# Altium PCB Ctrl_FOC.PcbDoc (part 1 of 2) (continued)
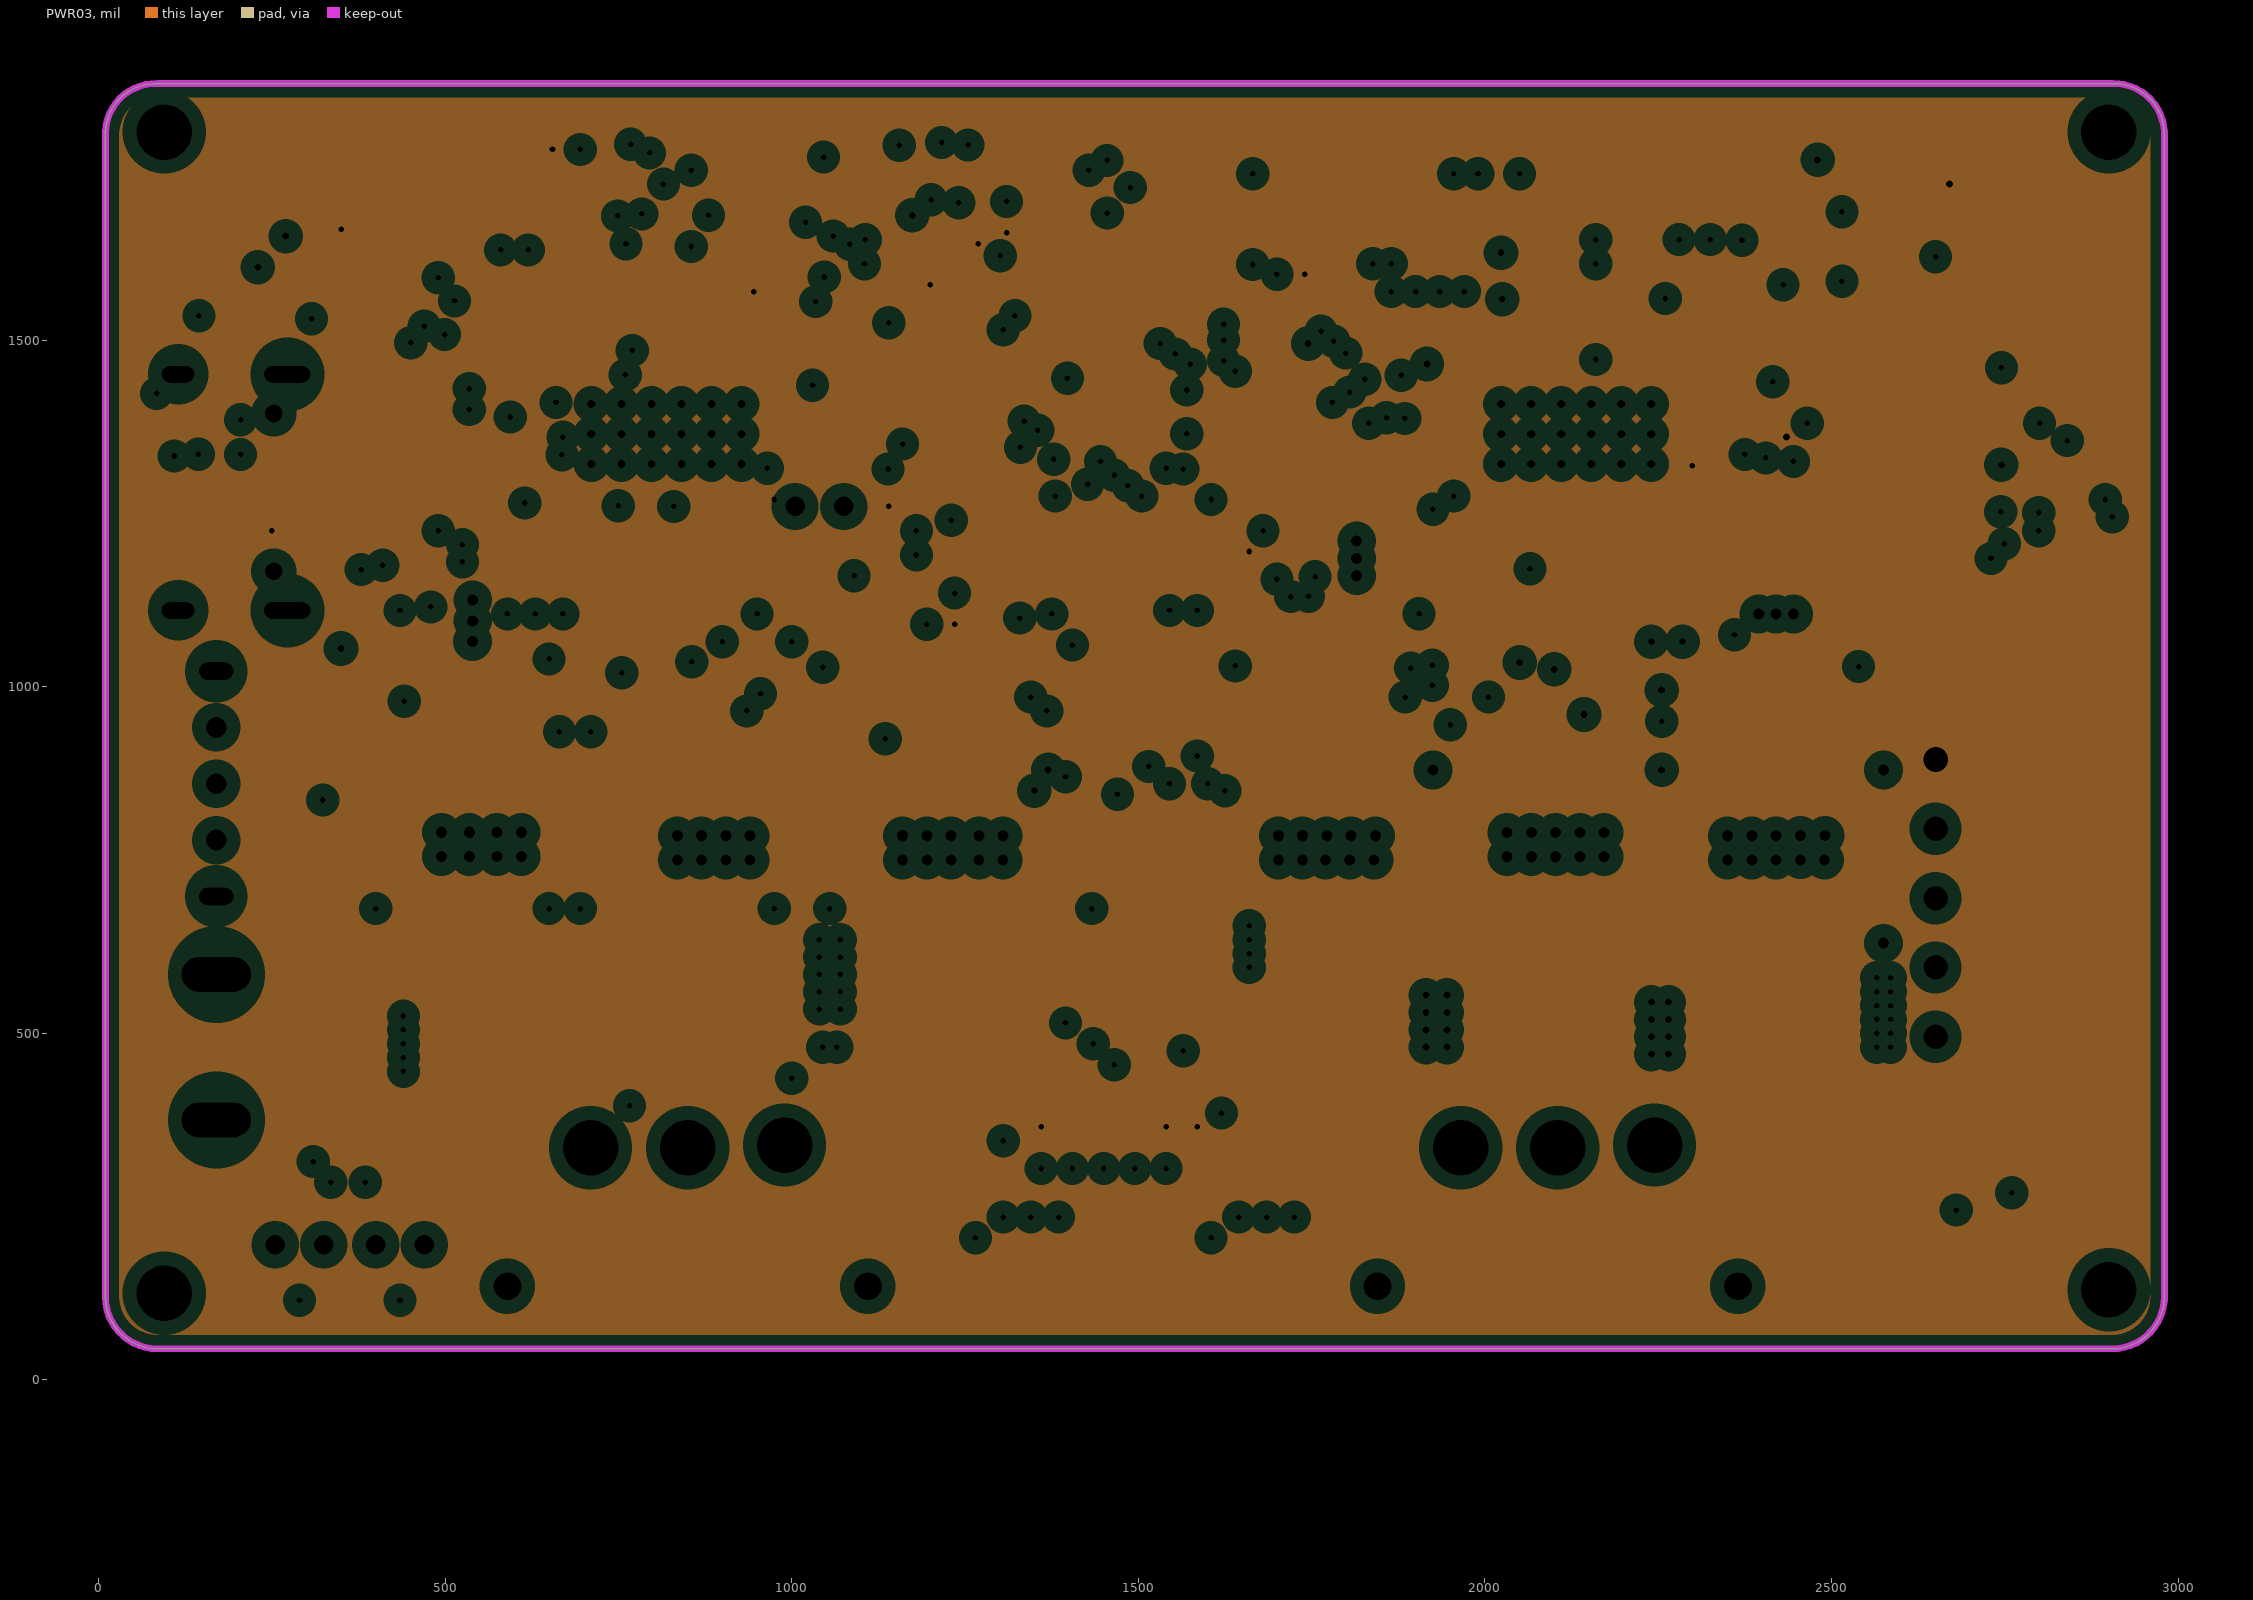
[diagram p3: PWR03, clearances drawn from the general rule]

## Layer stack, top to bottom
Top Solder: solder mask 0.4, Solder Resist, Dk 3.5
Top Layer: signal copper 1.4
Dielectric 2: prepreg 2.8, PP-006, Dk 4.1
GND02: plane copper 1.378, net GND
Dielectric 1: dielectric 12.6, FR-4, Dk 4.8
PWR03: plane copper 1.378, net VCC
Dielectric 3: prepreg 2.8, PP-006, Dk 4.1
Bottom Layer: signal copper 1.4
Bottom Solder: solder mask 0.4, Solder Resist, Dk 3.5

## Board outline
85,45 cw(c85,120) 10,120 10,1800 cw(c82.5,1797.5) 85,1870 2905,1870 cw(c2907.5,1797.5) 2980,1800 2980,115 2980,120 cw(c2905,120) 2905,45

## Design rules (kind name [scope] priority, off if disabled: settings)
Clearance [All] p1: gap=4 ignorepadtopadclearanceinfootprint=FALSE except(0: Arc-Hole Track-Hole SMDPad-Hole THPad-Hole Via-Hole Fill-Hole Poly-Hole Region-Hole Text-Hole)
PlaneClearance [All] p1: clearance=20
PlaneConnect [All] p1: planeconnectstyle=Relief reliefexpansion=20 reliefentries=4 reliefconductorwidth=10 reliefairgap=10
PolygonConnect [All] p1: connectstyle=Direct reliefconductorwidth=10 reliefentries=4 polygonreliefangle="90 Angle" airgapwidth=10
RoutingVias [All] p1: holewidth=28 width=50 viastyle="Through Hole" minholewidth=28 minwidth=50 maxholewidth=28 maxwidth=50
SolderMaskExpansion [All] p1: expansion=4 istentingtop=FALSE
Width [InNetClass('All Nets')] p1: maxlimit=200 minlimit=4 preferedwidth=6
28 further rules are at their usual default settings.

## Classes and differential pairs
component class "Motor 1": C82 C83 C84 C85 C86 C87 C88 C89 C90 C91 C92 C93 C94 MR2 NT6 NT7 NT8 NT9 Q9 Q10 Q11 Q12 Q13 Q14 R50 R51 R52 R53 R54 R55 R56 R57 R58 R59 R60 R61 R62 TP5 U8
component class "Motor 0": C60 C61 C63 C64 C65 C66 C67 C68 C69 C70 C71 C72 C73 C74 C75 C76 C77 C78 C79 D7 L3 MR1 NT2 NT3 NT4 NT5 Q3 Q4 Q5 Q6 Q7 Q8 R31 R32 R33 R34 R35 R36 R37 R38 R39 R40 R41 R42 R43 R44 R45 R46 R47 U7
component class MainFile: C1 C2 C3 C4 C5 C6 C7 C8 C9 C10 C11 C12 C13 C14 C15 C16 C17 C18 C19 C20 C21 C22 C23 C24 C25 C26 C27 C28 C29 C30 C31 C32 C33 C34 C35 C36 C37 C38 C39 C40 C41 C42 C43 C44 C45 C46 C47 C48 C49 C50 C51 C52 C53 C54 C55 C56 C57 C58 C59 D1 D2 D3 D4 D5 D6 DC1 J1 JP1 JP2 K1 K2 K3 L1 L2 NT1 OLED1 ON1 Q1 Q2 R1 R2 R3 R4 R5 R6 R7 R8 R9 R10 R11 R12 R13 R14 R15 R16 R17 R18 R19 R20 R21 R23 R24 R25 R26 R27 R28 R29 R30 TP1 TP2 TP3 TPS1 U1 U2 U3 U4 U6 USB1 X1 XT1

## Components (designator, comment, footprint, x,y, rotation, side; value= is the part's Value field where it differs from the comment)
C1 "0.1uF" CAP_0402 1240,1635 r0 top
C2 "0.1uF" CAP_0402 1720,1595 r0 top
C3 "0.1uF" CAP_0402 1215,1090 r0 top
C4 "0.1uF" CAP_0402 1680,1195 r180 top
C5 "2.2uF" CAP_0603 830,1595 r0 bottom
C6 "2.2uF" CAP_0402 1270,1675 r270 bottom
C7 "2.2uF" CAP_0402 1310,1675 r270 bottom
C8 "2.2uF" CAP_0402 1350,1675 r270 bottom
C9 "0.1uF" CAP_0603 230,1535 r90 top
C10 "0.1uF" CAP_0603 278,1535 r90 top
C11 "0.1uF" CAP_0603 325,1535 r90 top
C12 "0.1uF" CAP_0603 95,1535 r90 top
C13 "0.1uF" CAP_0603 140,1535 r90 top
C14 "0.1uF" CAP_0603 185,1535 r90 top
C15 "0.1uF" CAP_0603 1205,1135 r0 top
C16 "22pF" CAP_0402 1160,1525 r0 top
C17 "22pF" CAP_0402 1160,1330 r0 top
C18 "2.2uF" CAP_0603 1665,1670 r270 bottom
C19 "2.2uF" CAP_0402 1710,1670 r90 bottom
C20 "2.2uF" CAP_0402 1750,1670 r90 bottom
C21 "2.2uF" CAP_0402 1790,1670 r90 bottom
C22 "0.1uF" CAP_0402 385,265 r90 top
C23 "0.1uF" CAP_0402 335,265 r90 top
C24 "0.1uF" CAP_0402 965,1335 r90 bottom
C25 "0.1uF" CAP_0603 1235,980 r90 top
C26 "2.2uF" CAP_0402 1720,1635 r0 top
C27 "2.2uF" CAP_0402 1680,1155 r180 top
C28 "0.1uF" CAP_0402 1160,1295 r180 top
C29 "2.2uF" CAP_0603 310,1225 r180 top
C30 "2.2uF" CAP_0603 310,1278 r180 top
C31 "2.2uF" CAP_0603 310,1330 r180 top
C32 "0.1uF" CAP_0402 675,1735 r180 bottom
C33 "22pF" CAP_0402 445,1205 r0 bottom
C34 "22pF" CAP_0402 445,1245 r0 bottom
C35 "4.7uF" CAP_0402 1640,325 r270 bottom
C36 "4.7uF" CAP_0402 1305,320 r270 bottom
C37 "470uF" CAP_1206 901.91,680 r90 bottom
C38 "470uF" CAP_1206 1033.46,680 r90 bottom
C39 "470uF" CAP_1206 1165,679.8 r90 bottom
C40 "470uF" CAP_1206 1340,680 r90 bottom
C41 "470uF" CAP_1206 1440,680 r90 bottom
C42 "470uF" CAP_1206 1540,680 r90 bottom
C43 "470uF" CAP_1206 1640,680 r90 bottom
C44 "470uF" CAP_1206 1820,680 r90 bottom
C45 "470uF" CAP_1206 1950,680 r90 bottom
C46 "470uF" CAP_1206 2080,680 r90 bottom
C47 "470uF" CAP_1206 2210,680 r90 bottom
C48 "470uF" CAP_1206 2340,680 r90 bottom
C49 "0.1uF" CAP_1206 2470,680 r90 bottom
C50 "0.1uF" CAP_0402 2515,1495 r0 bottom
C51 "220pF" CAP_0402 2605,1680 r270 bottom
C52 "2.2uF" CAP_0603 2140,1670 r90 bottom
C53 "2.2uF" CAP_0603 2190,1670 r90 bottom
C54 "2.2uF" CAP_0603 2240,1670 r90 bottom
C55 "470uF" CAP_1206 507.28,680 r90 bottom
C56 "470uF" CAP_1206 638.82,680 r90 bottom
C57 "470uF" CAP_1206 770.37,680 r90 bottom
C58 "0.1uF" CAP_0402 675,1775 r180 bottom
C59 "10uF" CAP_0402 2515,1460 r0 bottom
C60 "82pF" CAP_0402 2450,1620 r0 top
C61 "270pF" CAP_0402 2450,1580 r180 top
C63 "0.1uF" CAP_0603 1785,1160 r0 top
C64 "10uF" CAP_0603 1785,1210 r0 top
C65 "0.1uF" CAP_0402 2450,1180 r90 top
C66 "68uF 16V" CAPCP6032X28N 2631.5,1460 r0 top
C67 "0.1uF" CAP_0603 2335,1075 r270 top
C68 "0.1uF" CAP_0603 2190,1075 r270 top
C69 "10uF" CAP_0402 2160,1625 r270 top
C70 "22nF" CAP_0402 2120,1625 r270 top
C71 "0.1uF" CAP_0603 2005,1075 r270 top
C72 "10uF" CAP_0402 1865,1590 r270 bottom
C73 "2.2nF" CAP_0402 1905,1085 r90 top
C74 "2.2nF" CAP_0402 1960,1670 r270 bottom
C75 "2.2nF" CAP_0402 1910,1670 r90 bottom
C76 "10uF" CAP_0402 1900,1590 r270 bottom
C77 "10uF" CAP_0603 2395,1075 r90 top
C78 "0.1uF" CAP_0603 2445,1075 r90 top
C79 "2.2nF" CAP_0402 1865,1085 r90 top
C82 "0.1uF" CAP_0603 1095,1075 r270 top
C83 "0.1uF" CAP_0603 950,1075 r270 top
C84 "10uF" CAP_0402 850,1610 r270 top
C85 "22nF" CAP_0402 805,1610 r270 top
C86 "0.1uF" CAP_0603 805,1075 r270 top
C87 "10uF" CAP_0402 660,1610 r90 top
C88 "2.2nF" CAP_0402 670,1085 r90 top
C89 "2.2nF" CAP_0402 620,1680 r270 top
C90 "2.2nF" CAP_0402 580,1680 r270 top
C91 "10uF" CAP_0402 540,1610 r90 top
C92 "10uF" CAP_0603 509.5,1115 r0 top
C93 "0.1uF" CAP_0603 509.5,1065 r0 top
C94 "2.2nF" CAP_0402 590,1085 r270 top
D1 "color?" LED_0402_BLUE 835,1700 r180 bottom
D2 "color?" LED_0402_BLUE 1430,1675 r270 bottom
D3 "color?" LED_0402_BLUE 1525,415 r0 bottom
D4 "color?" LED_0402_BLUE 1870,1670 r270 bottom
D5 "二极管-5819W" SOD-123 2310,1630 r270 bottom
D6 "color?" LED_0603 320,1055 r0 bottom
D7 "MBR140SFT1G" DIOM2717X10N 2605,1615 r0 top
DC1 "电源" TX60电源 175,480 r270 top
J1 "Header 5_1" 单排弯插针5 2650,495 r90 bottom
JP1 "SH1.0-5P" SH1.0-5P-L 1645,165 r0 top
JP2 "SH1.0-5P" SH1.0-5P-L 1305,165 r0 top
K1 "TACT 2P" 按键_3x4x2 435,195 r270 bottom
K2 "TACT 2P" 按键_3x4x2 290,195 r270 bottom
K3 "TACT 2P" 按键_3x4x2 1040,1260 r270 bottom
L1 "2.2uH" 2520-L 240,265 r0 top
L2 "2.2uH" 2520-L 2400,1655.28 r270 bottom
L3 "22uH" INDC6060X28N 2620,1221.85 r90 top
MR1 "U?" MR30PW-M 2105,335 r0 top
MR2 "U?" MR30PW-M 850,335 r0 top
NT1 "2mm" NetTie_2mm 1369.37,1075 r180 top net-tie
NT2 "0.25mm" NetTie_0.25mm 1870.32,1000 r0 top net-tie
NT3 "0.25mm" NetTie_0.25mm 1745,1030 r270 top net-tie
NT4 "0.25mm" NetTie_0.25mm 1925,1285.32 r90 bottom net-tie
NT5 "0.25mm" NetTie_0.25mm 1745.5,1130.5 r180 bottom net-tie
NT6 "0.25mm" NetTie_0.25mm 435,1150 r90 bottom net-tie
NT7 "0.25mm" NetTie_0.25mm 505,1235.32 r90 top net-tie
NT8 "0.25mm" NetTie_0.25mm 505,1205 r270 top net-tie
NT9 "0.25mm" NetTie_0.25mm 525,1155 r180 top net-tie
OLED1 "OLED12880" OLED12880 2330,1374.53 r180 bottom
ON1 "电源开关" 电源开关 170,697.5 r90 bottom
Q1 "AO3415A" SOT23-3 270,1590 r90 bottom
Q2 "BCM856BS" SOT363-6 120,1540 r270 bottom
Q3 "NTMFS4935NT1G" SO8FL 2468.74,805.28 r90 top
Q4 "NTMFS4935NT1G" SO8FL 2145.28,804.72 r90 top
Q5 "NTMFS4935NT1G" SO8FL 1818.74,805 r90 top
Q6 "NTMFS4935NT1G" SO8FL 2468.74,554.72 r90 top
Q7 "NTMFS4935NT1G" SO8FL 2145.28,555.28 r90 top
Q8 "NTMFS4935NT1G" SO8FL 1823.35,555 r90 top
Q9 "NTMFS4935NT1G" SO8FL 1162.28,805 r270 top
Q10 "NTMFS4935NT1G" SO8FL 836.85,805 r270 top
Q11 "NTMFS4935NT1G" SO8FL 506.65,805 r270 top
Q12 "NTMFS4935NT1G" SO8FL 1162.28,555 r270 top
Q13 "NTMFS4935NT1G" SO8FL 836.65,554.72 r270 top
Q14 "NTMFS4935NT1G" SO8FL 507.28,555 r270 top
R1 "3K" RES_0603 830,1550 r0 bottom
R2 "1.5K" RES_0402 1390,1675 r270 bottom
R3 "10K" RES_0603 175,1285 r0 top
R4 "10K" RES_0402 1680,1110 r180 top
R5 "10K" RES_0603 175,1235 r180 top
R6 "10K" RES_0402 1160,1225 r0 top
R7 "10K" RES_0402 1160,1190 r0 top
R8 "10K" RES_0402 1160,1260 r0 top
R9 "10K" RES_0402 1240,1680 r0 top
R10 "1.5K" RES_0402 1830,1670 r90 bottom
R11 "10K" RES_0603 1295,980 r270 top
R12 "1.5K" RES_0402 1450,415 r0 bottom
R13 "1K" RES_0603 1175,980 r90 top
R14 "10K" RES_0603 1495,335 r90 bottom
R15 "10K" RES_0603 1540,335 r90 bottom
R16 "10K" RES_0603 1585,335 r90 bottom
R17 "22R" RES_0603 175,1385 r0 top
R18 "10K" RES_0603 1360,335 r90 bottom
R19 "10K" RES_0603 1405,335 r90 bottom
R20 "10K" RES_0603 1450,335 r90 bottom
R21 "22R" RES_0603 175,1335 r0 top
R23 "10K" RES_0402 2515,1230 r180 bottom
R24 "10K" RES_0402 2515,1275 r180 bottom
R25 "47K" RES_0603 320,1005 r0 bottom
R26 "100K" RES_0402 2605,1600 r270 bottom
R27 "10K" RES_0402 2515,1330 r180 bottom
R28 "560K" RES_0402 2515,1380 r180 bottom
R29 "4.7K" RES_0402 2515,1415 r180 bottom
R30 "10K" RES_0402 2650,1640 r90 bottom
R31 "47K" RES_0402 2450,1540 r180 top
R32 "220k" RES_0402 2450,1460 r90 top
R33 "18K" RES_0402 2370,1625 r90 top
R34 "2.2R" RES_0402 2285,1085 r270 top
R35 "2.2R" RES_0402 2143.08,1083.22 r270 top
R36 "2.2R" RES_0402 2050,1085 r270 top
R37 "3.3k" RES_0402 2325,1625 r270 top
R38 "18K" RES_0402 2280,1625 r270 top
R39 "120R" RES_0402 1775,1085 r270 top
R40 "22R" RES_0402 1970,1590 r270 bottom
R41 "2.2R" RES_0402 2240,1085 r270 top
R42 "2.2R" RES_0402 2100,1085 r270 top
R43 "2.2R" RES_0402 1950,1085 r270 top
R44 "22R" RES_0402 1935,1590 r270 bottom
R45 "120R" RES_0402 1820,1085 r90 top
R46 "CSR2512C0R0005F" RESC6432X09N 2355,495 r180 bottom
R47 "CSR2512C0R0005F" RESC6432X09N 1930,495 r180 bottom
R50 "2.2R" RES_0402 1045,1085 r270 top
R51 "2.2R" RES_0402 900,1085 r270 top
R52 "2.2R" RES_0402 755,1085 r270 top
R53 "18K" RES_0402 965,1610 r270 top
R54 "120R" RES_0402 435,1090 r90 top
R55 "22R" RES_0402 620,1610 r270 top
R56 "2.2R" RES_0402 1000,1085 r270 top
R57 "2.2R" RES_0402 855,1085 r270 top
R58 "2.2R" RES_0402 715,1085 r270 top
R59 "22R" RES_0402 580,1610 r270 top
R60 "120R" RES_0402 630,1085 r90 top
R61 "CSR2512C0R0005F" RESC6432X09N 1055,495 r180 bottom
R62 "CSR2512C0R0005F" RESC6432X09N 620,495 r180 bottom
TP1 "TESTPOINT" TP-R30#1 2670,1760 r90 top
TP2 "TESTPOINT" TP-R30#1 2520,1760 r90 top
TP3 "TESTPOINT" TP-R30#1 2080,1760 r90 top
TP5 "TESTPOINT" TP-R30#2 2285,1760 r90 bottom
TPS1 "TPS61040DBV" SOT23-5 2515,1635 r270 bottom
U1 "STM32F405RGT6" 主控芯片LQFP64-10*10 1475,1415 r270 top
U2 "AZ1117E33G-13" SOT223 1065,1580 r0 bottom
U3 "3.3V" SOT23-5 1540,1655 r0 bottom
U4 "CH340T" SSOP-20 705,1685 r180 bottom
U6 "BEEP" BEEP 1525,950 r180 top
U7 "DRV8301" TSSOP50P810X120_HS-57N 2131.69,1364.61 r270 top
U8 "DRV8301" TSSOP50P810X120_HS-57N 819.25,1364.61 r270 top
USB1 "Type-C" Type-C-TOP 214.21,1280.28 r180 bottom
X1 "8MHz" XTAL3215 1160,1425 r270 top
XT1 "8 MHz" DFN220P320X110-4N 520,1345 r0 bottom

## Footprints (in the part's own frame and the unit in brackets; to place one, negate y for a bottom-side part, rotate by r counter-clockwise, add the part's x,y. Pads: shape width x height; smd on the part's side, far side on the other; paste and mask are expansions set on the pad)
2520-L [mm]
  rrect50% 0.7x1.5 smd: 1(-1.15,0) 2(1.15,0)
  silkscreen extent -1.25,-1 1.25,1, body extent -1,-0.6 1,0.6, height 0.92
BEEP [mil]
  rect 45x70.87 smd: 1(-70,0) 2(70,0)
  silkscreen extent -80,-80 80,80, body extent -80,-80 80,80, height 80
CAP_0402 [mil]
  rrect50% 20x20 smd: 1(-20,0) 2(20,0)
  silkscreen extent -6,-9 6,9, body extent -20,-10 20,10, height 20
CAP_0603 [mil]
  rrect50% 22x30 smd: 1(-30,0) 2(30,0)
  silkscreen extent -10,-15 10,15, body extent -31,-16 31,16, height 31
CAP_1206 [mm] "Chip Capacitor, 2-Leads, Body 3.20x1.60mm, IPC Medium Density"
  rect 1.55x1.8 smd: 1(-1.275,0) 2(1.275,0)
  silkscreen extent -2.31,-0.8 0.1,1.16, body extent -1.6,-0.8 1.6,0.8, height 1
CAPCP6032X28N [mm] "Chip Capacitor, 2-Leads, Body 6.00x3.20mm, IPC Medium Density"
  rect 2.25x3.5 smd: 1(-2.375,0) 2(2.375,0)
  silkscreen extent -3.76,-1.65 0.85,2.01, body extent -3,-1.6 3,1.6, height 2.5
DFN220P320X110-4N [mm] "DFN, 4-Leads, Body 5.00x3.20mm, Pitch 2.20mm, IPC Medium Density"
  rect 1.4x1 smd: 1(-1.9,-1.1) 3(1.9,1.1) G(-1.9,1.1) G(1.9,-1.1)
  silkscreen extent -3,-1.7 -2.9,-1.6, body extent -1.65,-1.3 1.65,1.3, height 1.1
DIOM2717X10N [mm] "Molded Diode, 2-Leads, Body 2.70x1.65mm, IPC Medium Density"
  rect 1.7x1 smd: A(1.05,0) K(-1.05,0)
  silkscreen extent -1.9,-0.95 1.45,0.95, body extent -1.45,-0.9 1.45,0.9, height 1
INDC6060X28N [mm] "Chip Inductor, 2-Leads, Body 6.00x6.00mm, IPC Medium Density"
  rect 1.98x6.22 smd: 1(-2.46,0) 2(2.46,0)
  silkscreen extent -1.1,-3.01 1.1,3.01, body extent -3.1,-3.1 3.1,3.1, height 2.8
LED_0402_BLUE [mil]
  rrect50% 20x20 smd: 1(-20,0) 2(20,0)
  silkscreen extent -6,-10 6,10, body extent -20,-10 20,10, height 18
LED_0603 [mil]
  rrect50% 22x30 smd: 1(-30,0) 2(30,0)
  silkscreen extent -10,-15 10,15, body extent -32,-16 32,16, height 24
MR30PW-M [mil] "MR30PW-M"
  round 120 hole 80: 1(-140,0) 2(0,0) 3(139.8,3.72)
  silkscreen extent -285,-555 285,-75, body extent -240,-481 240,11, height 202
NetTie_0.25mm [mm] "Net tie, 0.25mm"
  round 0.25 smd paste-2 mask+0.102: 1(0,0) 2(0.5,0)
  Top Layer region: 0,0.125 0.5,0.125 0.5,-0.125 0,-0.125
NetTie_2mm [mm] "Net tie, 2mm round"
  oval 0.8x2 smd paste-2 mask+0.102: 1(0,0) 2(1,0)
  Top Layer region: 0,1 1,1 1,-1 0,-1
OLED12880 [mm] "OLED12880"
  rect 3.5x0.4 smd: 1(-7.874,3.766) 2(-7.874,3.066) 3(-7.874,2.366) 4(-7.874,1.666) 5(-7.874,0.966) 6(-7.874,0.266) 7(-7.874,-0.434) 8(-7.874,-1.134) 9(-7.874,-1.834) 10(-7.874,-2.534) 11(-7.874,-3.234) 12(-7.874,-3.934) 13(-7.874,-4.634)
  silkscreen extent -12.19,-5.08 -5.84,4.32, body extent -12.75,-6.5 14.97,6, height 1.55
RES_0402 [mil]
  rrect50% 20x20 smd: 1(-20,0) 2(20,0)
  silkscreen extent -7,-10 7,10, body extent -20,-10 20,10, height 14
RES_0603 [mil]
  rrect50% 22x30 smd: 1(-30,0) 2(30,0)
  silkscreen extent -15,-16 15,16, body extent -31,-16 31,16, height 18
RESC6432X09N [mm] "Chip Resistor, 2-Leads, Body 6.40x3.20mm, IPC Medium Density"
  rect 1.8x3.45 smd: 1(-2.775,0) 2(2.775,0)
  silkscreen extent -1.5,-1.62 1.5,1.62, body extent -3.32,-1.73 3.32,1.73, height 0.9
SH1.0-5P-L [mm]
  rect 1.4x1.8 smd: 0(-3.3,-1.8) 0(3.3,-1.8)
  rect 0.6x1.9 smd: 1(-2,1.8) 2(-1,1.8) 3(0,1.8) 4(1,1.8) 5(2,1.8)
  silkscreen extent -3.4,-2.54 3.4,1.6, body extent -3.5,-2.79 3.5,2.16, height 2.96
SO8FL [mm] "DFN5 5x6, 1.27P  (SO-8FL)  CASE 488AA"
  rect 0.9x0.6 on Top Paste: 7(0,2) 7(0,1.15) 7(0,0.3) 7(0,-0.55) 9(-1.15,2) 9(-1.15,-0.55) 9(-1.15,0.3) 9(-1.15,1.15) 10(1.15,2) 10(1.15,-0.55) 10(1.15,0.3) 10(1.15,1.15)
  rect 0.6x0.9 on Top Paste: 11(-1.875,3) 11(-0.65,3) 11(0.65,3) 11(1.875,3)
  rect 4.7x1.5 smd paste-10 mask+0.075: D(0,2.75)
  rect 4.2x2.2 smd paste-10 mask+0.075: D(0,1.35) D(0,0)
  rect 0.7x1.15 smd paste-0.05 mask+0.075: G(1.905,-2.725) S(-1.905,-2.725) S(-0.635,-2.725) S(0.635,-2.725)
  body extent -2.57,-2.95 2.58,3.2, height 1.13
SOD-123 [mil]
  rrect50% 30x40 smd: 1(-70,0)
  rrect50% 30x30 smd: 2(70,0)
  silkscreen extent -47,-31 47,31, body extent -77,-35 77,35, height 46
SOT23-3 [mm] "SOT23, 3-Leads, Body 3.1x3.0mm (max), Pitch 0.95mm, IPC Medium Density"
  rrect50% 1.3x0.6 smd: 1(-1.5,0.95) 2(-1.5,-0.95) 3(1.5,0)
  silkscreen extent -0.2,-1.55 0.9,1.55, body extent -1.3,-1.45 1.5,1.45, height 1.2
SOT23-5 [mm]
  round 0.5 on Mech15: 0(0,0)
  rrect25% 1x0.6 smd: 1(-1.3,0.95) 2(-1.3,0) 3(-1.3,-0.95) 4(1.3,-0.95) 5(1.3,0.95)
  silkscreen extent -0.51,-1.35 0.51,1.35, body extent -1.4,-1.45 1.4,1.45, height 1.44
SOT223 [mm] "SOT223 /SC-73"
  round 1 on Mech15: 0(0,0)
  rrect25% 1.75x1.1 smd: 1(-3.3,2.3) 2(-3.3,0) 3(-3.3,-2.3)
  rrect25% 1.75x3.5 smd: 4(3.3,0)
  silkscreen extent -1.85,-3.35 1.85,3.35, body extent -3.65,-3.35 3.65,3.35, height 1.8
SOT363-6 [mil]
  rrect50% 24x16 smd: 1(-40,25.59) 2(-40,0) 3(-40,-25.59) 4(40,-25.59) 5(40,0) 6(40,25.59)
  silkscreen extent -14,-43 14,43, body extent -41,-39 41,39, height 37
SSOP-20 [mm]
  rect 1.727x0.3 smd: 1(0.127,0)
  oval 1.727x0.3 smd: 2(0.127,-0.65) 3(0.127,-1.3) 4(0.127,-1.95) 5(0.127,-2.6) 6(0.127,-3.25) 7(0.127,-3.9) 8(0.127,-4.55) 9(0.127,-5.2) 10(0.127,-5.85) 11(7.673,-5.85) 12(7.673,-5.2) 13(7.673,-4.55) 14(7.673,-3.9) 15(7.673,-3.25) 16(7.673,-2.6) 17(7.673,-1.95) 18(7.673,-1.3) 19(7.673,-0.65) 20(7.673,0)
  silkscreen extent 1.84,-6.18 5.96,0.53, body extent -0.01,-6.52 7.89,0.78, height 1.79
TP-R30#1 [mil]
  round 30 smd far side paste-30 mask+3: 1(0,0)
  body extent -18,-18 18,18, height 10
TP-R30#2 [mil]
  round 30 smd paste-30 mask+3: 1(0,0)
  body extent -18,-18 18,18, height 10
TSSOP50P810X120_HS-57N [mm] "TSSOP, 56-Leads, Body 14.00x6.10mm, Pitch 0.50mm, Thermal Pad 6.35x3.61mm, IPC Medium Density"
  oval 1.4x0.3 smd: 1(-3.8,6.75) 2(-3.8,6.25) 3(-3.8,5.75) 4(-3.8,5.25) 5(-3.8,4.75) 6(-3.8,4.25) 7(-3.8,3.75) 8(-3.8,3.25) 9(-3.8,2.75) 10(-3.8,2.25) 11(-3.8,1.75) 12(-3.8,1.25) 13(-3.8,0.75) 14(-3.8,0.25) 15(-3.8,-0.25) 16(-3.8,-0.75) 17(-3.8,-1.25) 18(-3.8,-1.75) 19(-3.8,-2.25) 20(-3.8,-2.75) 21(-3.8,-3.25) 22(-3.8,-3.75) 23(-3.8,-4.25) 24(-3.8,-4.75) 25(-3.8,-5.25) 26(-3.8,-5.75) 27(-3.8,-6.25) 28(-3.8,-6.75) 29(3.8,-6.75) 30(3.8,-6.25) 31(3.8,-5.75) 32(3.8,-5.25) 33(3.8,-4.75) 34(3.8,-4.25) 35(3.8,-3.75) 36(3.8,-3.25) 37(3.8,-2.75) 38(3.8,-2.25) 39(3.8,-1.75) 40(3.8,-1.25) 41(3.8,-0.75) 42(3.8,-0.25) 43(3.8,0.25) 44(3.8,0.75) 45(3.8,1.25) 46(3.8,1.75) 47(3.8,2.25) 48(3.8,2.75) 49(3.8,3.25) 50(3.8,3.75) 51(3.8,4.25) 52(3.8,4.75) 53(3.8,5.25) 54(3.8,5.75) 55(3.8,6.25) 56(3.8,6.75)
  rect 3.61x6.35 smd: 57(0,0)
  silkscreen extent -3.92,-7.05 2.92,7.58, body extent -3.1,-7.05 3.1,7.05, height 1.2
TX60电源 [mil] "长：18.8mm， 宽：16mm，高：8.6mm"
  rrect50% 100.85x196.85 hole 100 slot 50 at 0 deg: 1(-105,-5) 2(105,-5)
Type-C-TOP [mm]
  round 0.65 hole 0.65: 0(-0.98,-2.89) 0(-0.98,2.89)
  oval 1.6x1 hole 0.6 slot 1.2 at 0 deg: 1(2.52,4.325) 2(2.52,-4.325)
  oval 2.1x1 hole 0.6 slot 1.7 at 0 deg: 3(-1.48,-4.325) 4(-1.48,4.325)
  rrect50% 1.5x0.3 smd: A1(-2.52,-3.35) A4(-2.52,-2.55) A5(-2.52,-1.25) A6(-2.52,-0.25) A7(-2.52,0.25) A8(-2.52,1.25) A9(-2.52,2.55) A12(-2.52,3.35) B1(-2.52,3.05) B4(-2.52,2.25) B5(-2.52,1.75) B6(-2.52,0.75) B7(-2.52,-0.75) B8(-2.52,-1.75) B9(-2.52,-2.25) B12(-2.52,-3.05)
  silkscreen extent -0.22,-4.33 5.12,4.33, body extent -2.64,-4.48 5.26,4.46, height 3.28
XTAL3215 [mm]
  rect 0.6x1.524 smd: 1(-1.2,0) 2(0,0) 3(1.2,0)